# Altium PCB PCB_proj_module.PcbDoc (part 3 of 3)
Units mil, origin at the board's own origin, x right, y up, seen from the top; angles counter-clockwise.
Board outline 6000 x 4000 mil, 2 copper layers (Top Layer, Bottom Layer); 512 components, 452 nets, 1877 pads, 0 vias.
Unrouted connection lines stored in the file: 1267.
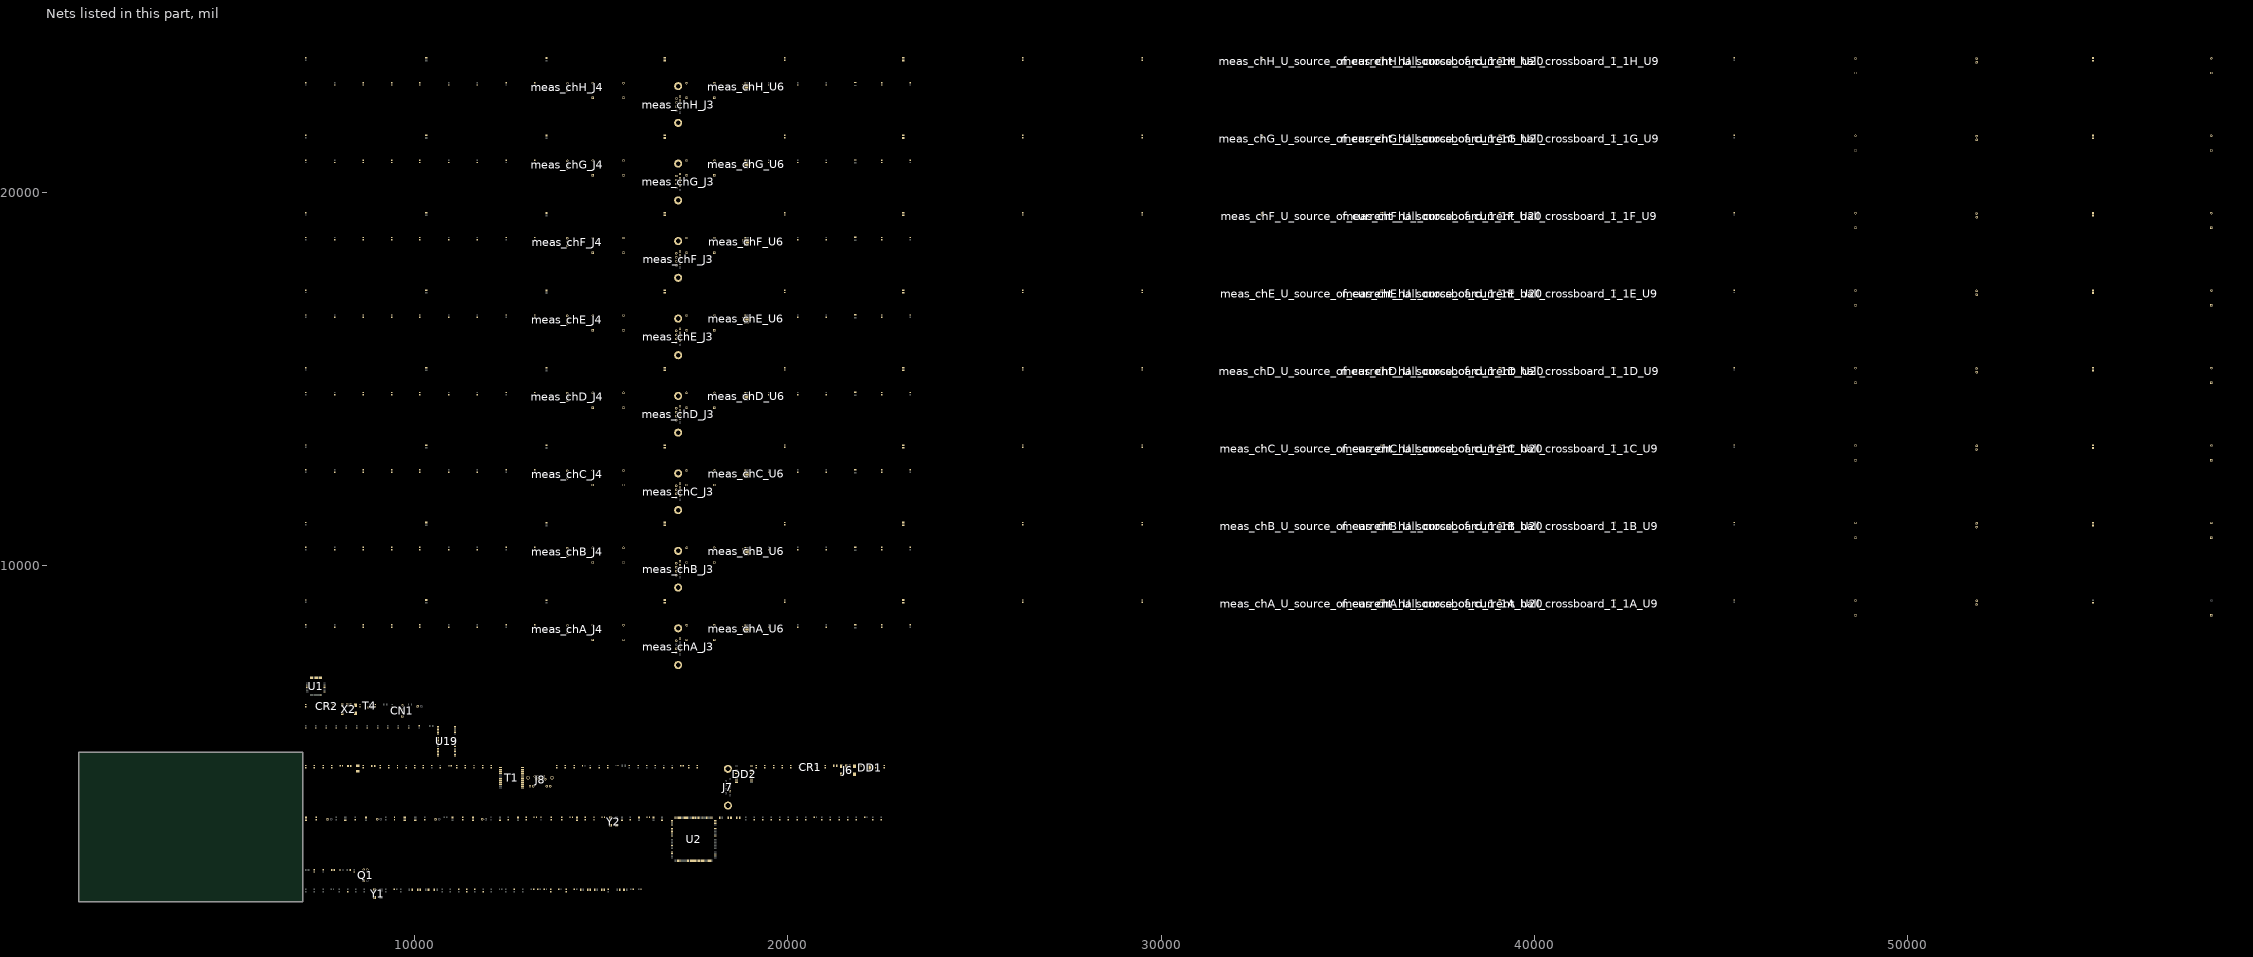
[diagram p3: the nets of this part, all layers, seen from the top]

## Nets (pads, with @x,y where several pads share a name; then routed paths per layer and width w, separated by ;. In a path a pad name is that pad's centre, name@x,y a point inside that pad or via, vN(x,y) a via of type N, cw(c..) or ccw(c..) an arc to the next point about the centre after c; other vN are vias at no path point) (continued)
meas_chA_Pt_100+: C1.2 C2.1 C3.1 C4.1 C5.1 C6.2 C7.2 C8.1 C9.1 C10.1 C11.1 C12.2 C13.2 C14.1 C15.2 C16.1 C17.1 C18.2 C19.1 C20.2 C21.1 C22.1 C23.1 C24.1 C26.1 C27.1 C28.1 C29.1 C30.1 C31.1 C32.1 C33.1 C34.1 C35.1 C36.1 C37.1 C38.1 C39.1 C40.1 C41.1 C43.2 C44.2 C45.1 C60.1 C61.2 C62.2 C63.2 C64.1 C65.1 C66.2 C67.1 C68.1 C72.1 C76.1 C77.2 C78.1 C79.1 C80.1 C81.1 C82.1 C83.1 C84.1 C85.2 C86.2 C97.1 C100.1 C102.1 C103.2 C111.1 C115.1 C116.1 C117.1 C118.1 C119.1 C120.1 C121.1 C122.1 C123.1 C124.1 C125.1 C126.1 C127.1 C128.1 C129.2 C130.1 C132.1 CN1.4 CR1.2 CR2.2 D1.1 D2.1 D3.1 D8.1 DD1.5 DD1.13 DD2.4 DD2.5 DD2.6 DD2.7 DD2.10 J6.5 J8.SHIELD J11.1 J12.1 J13.1 J14.1 meas_chA_C46.2 meas_chA_C47.1 meas_chA_C48.1 meas_chA_C49.1 meas_chA_C50.1 meas_chA_C55.2 meas_chA_C56.1 meas_chA_C136.1 meas_chA_J3.8 meas_chA_J4.3 meas_chA_TP16.2 meas_chA_U6.6 meas_chA_U6.22 meas_chA_U6.29 meas_chA_U_source_of_current_hall_crossboard_1_1A_C89.2 meas_chA_U_source_of_current_hall_crossboard_1_1A_C107.2 meas_chA_U_source_of_current_hall_crossboard_1_1A_C109.2 meas_chA_U_source_of_current_hall_crossboard_1_1A_C134.2 meas_chA_U_source_of_current_hall_crossboard_1_1A_C135.2 meas_chA_U_source_of_current_hall_crossboard_1_1A_C142.2 meas_chA_U_source_of_current_hall_crossboard_1_1A_U9.7 meas_chA_U_source_of_current_hall_crossboard_1_1A_U20.2 meas_chB_C46.2 meas_chB_C47.1 meas_chB_C48.1 meas_chB_C49.1 meas_chB_C50.1 meas_chB_C55.2 meas_chB_C56.1 meas_chB_C136.1 meas_chB_J3.8 meas_chB_J4.3 meas_chB_TP16.2 meas_chB_U6.6 meas_chB_U6.22 meas_chB_U6.29 meas_chB_U_source_of_current_hall_crossboard_1_1B_C89.2 meas_chB_U_source_of_current_hall_crossboard_1_1B_C107.2 meas_chB_U_source_of_current_hall_crossboard_1_1B_C109.2 meas_chB_U_source_of_current_hall_crossboard_1_1B_C134.2 meas_chB_U_source_of_current_hall_crossboard_1_1B_C135.2 meas_chB_U_source_of_current_hall_crossboard_1_1B_C142.2 meas_chB_U_source_of_current_hall_crossboard_1_1B_U9.7 meas_chB_U_source_of_current_hall_crossboard_1_1B_U20.2 meas_chC_C46.2 meas_chC_C47.1 meas_chC_C48.1 meas_chC_C49.1 meas_chC_C50.1 meas_chC_C55.2 meas_chC_C56.1 meas_chC_C136.1 meas_chC_J3.8 meas_chC_J4.3 meas_chC_TP16.2 meas_chC_U6.6 meas_chC_U6.22 meas_chC_U6.29 meas_chC_U_source_of_current_hall_crossboard_1_1C_C89.2 meas_chC_U_source_of_current_hall_crossboard_1_1C_C107.2 meas_chC_U_source_of_current_hall_crossboard_1_1C_C109.2 meas_chC_U_source_of_current_hall_crossboard_1_1C_C134.2 meas_chC_U_source_of_current_hall_crossboard_1_1C_C135.2 meas_chC_U_source_of_current_hall_crossboard_1_1C_C142.2 meas_chC_U_source_of_current_hall_crossboard_1_1C_U9.7 meas_chC_U_source_of_current_hall_crossboard_1_1C_U20.2 meas_chD_C46.2 meas_chD_C47.1 meas_chD_C48.1 meas_chD_C49.1 meas_chD_C50.1 meas_chD_C55.2 meas_chD_C56.1 meas_chD_C136.1 meas_chD_J3.8 meas_chD_J4.3 meas_chD_TP16.2 meas_chD_U6.6 meas_chD_U6.22 meas_chD_U6.29 meas_chD_U_source_of_current_hall_crossboard_1_1D_C89.2 meas_chD_U_source_of_current_hall_crossboard_1_1D_C107.2 meas_chD_U_source_of_current_hall_crossboard_1_1D_C109.2 meas_chD_U_source_of_current_hall_crossboard_1_1D_C134.2 meas_chD_U_source_of_current_hall_crossboard_1_1D_C135.2 meas_chD_U_source_of_current_hall_crossboard_1_1D_C142.2 meas_chD_U_source_of_current_hall_crossboard_1_1D_U9.7 meas_chD_U_source_of_current_hall_crossboard_1_1D_U20.2 meas_chE_C46.2 meas_chE_C47.1 meas_chE_C48.1 meas_chE_C49.1 meas_chE_C50.1 meas_chE_C55.2 meas_chE_C56.1 meas_chE_C136.1 meas_chE_J3.8 meas_chE_J4.3 meas_chE_TP16.2 meas_chE_U6.6 meas_chE_U6.22 meas_chE_U6.29 meas_chE_U_source_of_current_hall_crossboard_1_1E_C89.2 meas_chE_U_source_of_current_hall_crossboard_1_1E_C107.2 meas_chE_U_source_of_current_hall_crossboard_1_1E_C109.2 meas_chE_U_source_of_current_hall_crossboard_1_1E_C134.2 meas_chE_U_source_of_current_hall_crossboard_1_1E_C135.2 meas_chE_U_source_of_current_hall_crossboard_1_1E_C142.2 meas_chE_U_source_of_current_hall_crossboard_1_1E_U9.7 meas_chE_U_source_of_current_hall_crossboard_1_1E_U20.2 meas_chF_C46.2 meas_chF_C47.1 meas_chF_C48.1 meas_chF_C49.1 meas_chF_C50.1 meas_chF_C55.2 meas_chF_C56.1 meas_chF_C136.1 meas_chF_J3.8 meas_chF_J4.3 meas_chF_TP16.2 meas_chF_U6.6 meas_chF_U6.22 meas_chF_U6.29 meas_chF_U_source_of_current_hall_crossboard_1_1F_C89.2 meas_chF_U_source_of_current_hall_crossboard_1_1F_C107.2 meas_chF_U_source_of_current_hall_crossboard_1_1F_C109.2 meas_chF_U_source_of_current_hall_crossboard_1_1F_C134.2 meas_chF_U_source_of_current_hall_crossboard_1_1F_C135.2 meas_chF_U_source_of_current_hall_crossboard_1_1F_C142.2 meas_chF_U_source_of_current_hall_crossboard_1_1F_U9.7 meas_chF_U_source_of_current_hall_crossboard_1_1F_U20.2 meas_chG_C46.2 meas_chG_C47.1 meas_chG_C48.1 meas_chG_C49.1 meas_chG_C50.1 meas_chG_C55.2 meas_chG_C56.1 meas_chG_C136.1 meas_chG_J3.8 meas_chG_J4.3 meas_chG_TP16.2 meas_chG_U6.6 meas_chG_U6.22 meas_chG_U6.29 meas_chG_U_source_of_current_hall_crossboard_1_1G_C89.2 meas_chG_U_source_of_current_hall_crossboard_1_1G_C107.2 meas_chG_U_source_of_current_hall_crossboard_1_1G_C109.2 meas_chG_U_source_of_current_hall_crossboard_1_1G_C134.2 meas_chG_U_source_of_current_hall_crossboard_1_1G_C135.2 meas_chG_U_source_of_current_hall_crossboard_1_1G_C142.2 meas_chG_U_source_of_current_hall_crossboard_1_1G_U9.7 meas_chG_U_source_of_current_hall_crossboard_1_1G_U20.2 meas_chH_C46.2 meas_chH_C47.1 meas_chH_C48.1 meas_chH_C49.1 meas_chH_C50.1 meas_chH_C55.2 meas_chH_C56.1 meas_chH_C136.1 meas_chH_J3.8 meas_chH_J4.3 meas_chH_TP16.2 meas_chH_U6.6 meas_chH_U6.22 meas_chH_U6.29 meas_chH_U_source_of_current_hall_crossboard_1_1H_C89.2 meas_chH_U_source_of_current_hall_crossboard_1_1H_C107.2 meas_chH_U_source_of_current_hall_crossboard_1_1H_C109.2 meas_chH_U_source_of_current_hall_crossboard_1_1H_C134.2 meas_chH_U_source_of_current_hall_crossboard_1_1H_C135.2 meas_chH_U_source_of_current_hall_crossboard_1_1H_C142.2 meas_chH_U_source_of_current_hall_crossboard_1_1H_U9.7 meas_chH_U_source_of_current_hall_crossboard_1_1H_U20.2 Q1.3 R14.1 R38.1 R40.2 R50.1 R52.2 R56.1 R57.1 R58.1 R87.2 R96.1 R99.1 R103.1 R107.1 U1.3 U1.5 U1.31 U1.33 U1.44 U1.46 U1.51 U1.54 U1.55 U1.56 U1.58 U1.62 U2.14 U2.25 U2.40 U2.51 U2.60 U2.72 U2.82 U2.93 U2.114 U2.125 U2.136 U2.149 U2.170 U2.184 U2.202 U2.203 U19.6 U19.12 U19.32 U19.38 U19.44 U19.46 U19.52 U19.58 U19.72 U19.78 U19.84 U19.86 X2.5 Y1.2 Y2.2
meas_chA_Pt_100-: meas_chA_J3.3 meas_chA_J4.1 meas_chA_TP16.1
meas_chA_U_source_of_current_hall_crossboard_1_1A_REF-2V5: meas_chA_U_source_of_current_hall_crossboard_1_1A_C131.2 meas_chA_U_source_of_current_hall_crossboard_1_1A_U9.3 meas_chA_U_source_of_current_hall_crossboard_1_1A_U20.7
meas_chA_VHall_+: meas_chA_J3.9 meas_chA_TP1.1
meas_chA_VHall_-: meas_chA_J3.4 meas_chA_TP1.2
meas_chB_+CHall: meas_chB_J3.7 meas_chB_J4.2
meas_chB_-CHall: meas_chB_J3.2 meas_chB_U_source_of_current_hall_crossboard_1_1B_R13.2 meas_chB_U_source_of_current_hall_crossboard_1_1B_TP14.2
meas_chB_Pt_100-: meas_chB_J3.3 meas_chB_J4.1 meas_chB_TP16.1
meas_chB_U_source_of_current_hall_crossboard_1_1B_REF-2V5: meas_chB_U_source_of_current_hall_crossboard_1_1B_C131.2 meas_chB_U_source_of_current_hall_crossboard_1_1B_U9.3 meas_chB_U_source_of_current_hall_crossboard_1_1B_U20.7
meas_chB_VHall_+: meas_chB_J3.9 meas_chB_TP1.1
meas_chB_VHall_-: meas_chB_J3.4 meas_chB_TP1.2
meas_chC_+CHall: meas_chC_J3.7 meas_chC_J4.2
meas_chC_-CHall: meas_chC_J3.2 meas_chC_U_source_of_current_hall_crossboard_1_1C_R13.2 meas_chC_U_source_of_current_hall_crossboard_1_1C_TP14.2
meas_chC_Pt_100-: meas_chC_J3.3 meas_chC_J4.1 meas_chC_TP16.1
meas_chC_U_source_of_current_hall_crossboard_1_1C_REF-2V5: meas_chC_U_source_of_current_hall_crossboard_1_1C_C131.2 meas_chC_U_source_of_current_hall_crossboard_1_1C_U9.3 meas_chC_U_source_of_current_hall_crossboard_1_1C_U20.7
meas_chC_VHall_+: meas_chC_J3.9 meas_chC_TP1.1
meas_chC_VHall_-: meas_chC_J3.4 meas_chC_TP1.2
meas_chD_+CHall: meas_chD_J3.7 meas_chD_J4.2
meas_chD_-CHall: meas_chD_J3.2 meas_chD_U_source_of_current_hall_crossboard_1_1D_R13.2 meas_chD_U_source_of_current_hall_crossboard_1_1D_TP14.2
meas_chD_Pt_100-: meas_chD_J3.3 meas_chD_J4.1 meas_chD_TP16.1
meas_chD_U_source_of_current_hall_crossboard_1_1D_REF-2V5: meas_chD_U_source_of_current_hall_crossboard_1_1D_C131.2 meas_chD_U_source_of_current_hall_crossboard_1_1D_U9.3 meas_chD_U_source_of_current_hall_crossboard_1_1D_U20.7
meas_chD_VHall_+: meas_chD_J3.9 meas_chD_TP1.1
meas_chD_VHall_-: meas_chD_J3.4 meas_chD_TP1.2
meas_chE_+CHall: meas_chE_J3.7 meas_chE_J4.2
meas_chE_-CHall: meas_chE_J3.2 meas_chE_U_source_of_current_hall_crossboard_1_1E_R13.2 meas_chE_U_source_of_current_hall_crossboard_1_1E_TP14.2
meas_chE_Pt_100-: meas_chE_J3.3 meas_chE_J4.1 meas_chE_TP16.1
meas_chE_U_source_of_current_hall_crossboard_1_1E_REF-2V5: meas_chE_U_source_of_current_hall_crossboard_1_1E_C131.2 meas_chE_U_source_of_current_hall_crossboard_1_1E_U9.3 meas_chE_U_source_of_current_hall_crossboard_1_1E_U20.7
meas_chE_VHall_+: meas_chE_J3.9 meas_chE_TP1.1
meas_chE_VHall_-: meas_chE_J3.4 meas_chE_TP1.2
meas_chF_+CHall: meas_chF_J3.7 meas_chF_J4.2
meas_chF_-CHall: meas_chF_J3.2 meas_chF_U_source_of_current_hall_crossboard_1_1F_R13.2 meas_chF_U_source_of_current_hall_crossboard_1_1F_TP14.2
meas_chF_Pt_100-: meas_chF_J3.3 meas_chF_J4.1 meas_chF_TP16.1
meas_chF_U_source_of_current_hall_crossboard_1_1F_REF-2V5: meas_chF_U_source_of_current_hall_crossboard_1_1F_C131.2 meas_chF_U_source_of_current_hall_crossboard_1_1F_U9.3 meas_chF_U_source_of_current_hall_crossboard_1_1F_U20.7
meas_chF_VHall_+: meas_chF_J3.9 meas_chF_TP1.1
meas_chF_VHall_-: meas_chF_J3.4 meas_chF_TP1.2
meas_chG_+CHall: meas_chG_J3.7 meas_chG_J4.2
meas_chG_-CHall: meas_chG_J3.2 meas_chG_U_source_of_current_hall_crossboard_1_1G_R13.2 meas_chG_U_source_of_current_hall_crossboard_1_1G_TP14.2
meas_chG_Pt_100-: meas_chG_J3.3 meas_chG_J4.1 meas_chG_TP16.1
meas_chG_U_source_of_current_hall_crossboard_1_1G_REF-2V5: meas_chG_U_source_of_current_hall_crossboard_1_1G_C131.2 meas_chG_U_source_of_current_hall_crossboard_1_1G_U9.3 meas_chG_U_source_of_current_hall_crossboard_1_1G_U20.7
meas_chG_VHall_+: meas_chG_J3.9 meas_chG_TP1.1
meas_chG_VHall_-: meas_chG_J3.4 meas_chG_TP1.2
meas_chH_+CHall: meas_chH_J3.7 meas_chH_J4.2
meas_chH_-CHall: meas_chH_J3.2 meas_chH_U_source_of_current_hall_crossboard_1_1H_R13.2 meas_chH_U_source_of_current_hall_crossboard_1_1H_TP14.2
meas_chH_Pt_100-: meas_chH_J3.3 meas_chH_J4.1 meas_chH_TP16.1
meas_chH_U_source_of_current_hall_crossboard_1_1H_REF-2V5: meas_chH_U_source_of_current_hall_crossboard_1_1H_C131.2 meas_chH_U_source_of_current_hall_crossboard_1_1H_U9.3 meas_chH_U_source_of_current_hall_crossboard_1_1H_U20.7
meas_chH_VHall_+: meas_chH_J3.9 meas_chH_TP1.1
meas_chH_VHall_-: meas_chH_J3.4 meas_chH_TP1.2
MISO: meas_chA_R79.1 meas_chB_R79.1 meas_chC_R79.1 meas_chD_R79.1 meas_chE_R79.1 meas_chF_R79.1 meas_chG_R79.1 meas_chH_R79.1 R3.2 U2.193
MOSI: meas_chA_R81.1 meas_chB_R81.1 meas_chC_R81.1 meas_chD_R81.1 meas_chE_R81.1 meas_chF_R81.1 meas_chG_R81.1 meas_chH_R81.1 R21.2 U2.194
NetC4_2: C4.2 C10.2 U1.52
NetC6_1: C6.1 C12.1 U1.34
NetC14_2: C14.2 C19.2 U1.61
NetC23_2: C23.2 C24.2 L1.1
NetC25_2: C25.2 L2.2
NetC43_1: C43.1 U2.92
NetC44_1: C44.1 U2.148
NetC61_1: C61.1 DD1.4 L4.1
NetC62_1: C62.1 C63.1 J6.1 L4.2
NetC64_2: C64.2 C65.2 DD1.2 DD1.3 DD1.9
NetC66_1: C66.1 CR1.4 R37.1
NetC67_2: C67.2 CR1.6 R36.1
NetC68_2: C68.2 J6.6 R38.2
NetC69_1: C69.1 DD2.17
NetC69_2: C69.2 DD2.18
NetC70_1: C70.1 DD2.13
NetC70_2: C70.2 DD2.14
NetC71_1: C71.1 C73.2 DD2.20
NetC71_2: C71.2 DD2.19
NetC74_2: C74.2 J7.11
NetC75_2: C75.2 DD2.12
NetC76_2: C76.2 C81.2 C82.2 C83.2 C84.2 C85.1 L5.1 R44.2 R45.2 R46.2 R47.2 T1.1 T1.4 T1.7 T1.10
NetC77_1: C77.1 X1.2
NetC78_2: C78.2 C80.2
NetC86_1: C86.1 X1.1
NetC100_2: C100.2 R14.2 X2.6
NetC102_2: C102.2 R95.1 R96.2
NetC115_2: C115.2 R98.1 R99.2
NetC117_2: C117.2 R101.1 R103.2
NetC132_2: C132.2 R106.1 R107.2
NetCN1_1: CN1.1 J9.1
NetCN1_2: CN1.2 U2.147
NetCN1_3: CN1.3 U2.159
NetCR1_1: CR1.1 DD1.12
NetCR1_3: CR1.3 DD1.1
NetCR2_1: CR2.1 U2.145
NetCR2_3: CR2.3 U2.146
NetCR2_4: CR2.4 R89.1 X2.2
NetCR2_6: CR2.6 X2.3
NetD1_2: D1.2 R32.1
NetD2_2: D2.2 R34.1
NetD3_2: D3.2 R35.1
NetD4_3: T1.24
NetD4_4: T1.18
NetD5_3: T1.21
NetD5_4: T1.15
NetD8_2: D8.2 R63.1
NetD9_1: 
NetDD1_7: DD1.7 U2.196
NetDD1_10: DD1.10 U2.195
NetDD2_8: DD2.8 U2.91
NetDD2_9: DD2.9 U2.90
NetDD2_15: DD2.15 J7.3
NetDD2_16: DD2.16 J7.2
NetJ1_2: 
NetJ2_1: 
NetJ2_2: Q1.1
NetJ6_2: J6.2 R36.2
NetJ6_3: J6.3 R37.2
NetJ7_10: J7.10 R39.1
NetJ8_1: J8.1 T1.23
NetJ8_2: J8.2 T1.22
NetJ8_3: J8.3 T1.17
NetJ8_4: J8.4 T1.20
NetJ8_5: J8.5 T1.19
NetJ8_6: J8.6 T1.16
NetJ8_7: J8.7 T1.14
NetJ8_8: J8.8 T1.13
NetJ8_9: J8.9 R58.2
NetJ8_10: J8.10
NetJ8_11: J8.11 R56.2
NetJ8_12: J8.12 R57.2
Netmeas_chA_C47_2: meas_chA_C47.2 meas_chA_L3.2 meas_chA_U6.23
Netmeas_chA_C136_2: meas_chA_C136.2 meas_chA_J3.10 meas_chA_J3.11
Netmeas_chA_J3_1: meas_chA_J3.1 meas_chA_TP17.2
Netmeas_chA_J3_6: meas_chA_J3.6 meas_chA_TP17.1
Netmeas_chA_R77_1: meas_chA_R77.1
Netmeas_chA_R79_2: meas_chA_R79.2 meas_chA_U6.8
Netmeas_chA_R81_2: meas_chA_R81.2 meas_chA_U6.9
Netmeas_chA_R83_2: meas_chA_R83.2 meas_chA_U6.10
Netmeas_chA_R85_2: meas_chA_R85.2 meas_chA_R90.1 meas_chA_U6.11
Netmeas_chA_TP3_1: meas_chA_TP3.1 meas_chA_U6.1
Netmeas_chA_TP3_2: meas_chA_TP3.2 meas_chA_U6.2
Netmeas_chA_U5_9: meas_chA_U_source_of_current_hall_crossboard_1_1A_J10.2 meas_chA_U_source_of_current_hall_crossboard_1_1A_R13.1 meas_chA_U_source_of_current_hall_crossboard_1_1A_TP14.1 meas_chA_U_source_of_current_hall_crossboard_1_1A_TP15.2
Netmeas_chA_U6_12: meas_chA_U6.12 meas_chB_U6.12 meas_chC_U6.12 meas_chD_U6.12 meas_chE_U6.12 meas_chF_U6.12 meas_chG_U6.12 meas_chH_U6.12
Netmeas_chA_U6_13: meas_chA_U6.13 meas_chB_U6.13 meas_chC_U6.13 meas_chD_U6.13 meas_chE_U6.13 meas_chF_U6.13 meas_chG_U6.13 meas_chH_U6.13
Netmeas_chA_U_source_of_current_hall_crossboard_1_1A_C89_1: meas_chA_U_source_of_current_hall_crossboard_1_1A_C89.1 meas_chA_U_source_of_current_hall_crossboard_1_1A_C131.1 meas_chA_U_source_of_current_hall_crossboard_1_1A_C133.1 meas_chA_U_source_of_current_hall_crossboard_1_1A_C134.1 meas_chA_U_source_of_current_hall_crossboard_1_1A_U20.3 meas_chA_U_source_of_current_hall_crossboard_1_1A_U20.4 meas_chA_U_source_of_current_hall_crossboard_1_1A_U20.5 meas_chA_U_source_of_current_hall_crossboard_1_1A_U20.8
Netmeas_chA_U_source_of_current_hall_crossboard_1_1A_C133_2: meas_chA_U_source_of_current_hall_crossboard_1_1A_C133.2 meas_chA_U_source_of_current_hall_crossboard_1_1A_U20.6
Netmeas_chA_U_source_of_current_hall_crossboard_1_1A_C141_1: meas_chA_U_source_of_current_hall_crossboard_1_1A_C141.1 meas_chA_U_source_of_current_hall_crossboard_1_1A_R86.2 meas_chA_U_source_of_current_hall_crossboard_1_1A_U9.2
Netmeas_chA_U_source_of_current_hall_crossboard_1_1A_C141_2: meas_chA_U_source_of_current_hall_crossboard_1_1A_C141.2 meas_chA_U_source_of_current_hall_crossboard_1_1A_R84.1 meas_chA_U_source_of_current_hall_crossboard_1_1A_U9.6
Netmeas_chA_U_source_of_current_hall_crossboard_1_1A_J10_1: meas_chA_U_source_of_current_hall_crossboard_1_1A_J10.1 meas_chA_U_source_of_current_hall_crossboard_1_1A_TP15.1
Netmeas_chA_U_source_of_current_hall_crossboard_1_1A_Q2_1: meas_chA_U_source_of_current_hall_crossboard_1_1A_R84.2
Netmeas_chB_C47_2: meas_chB_C47.2 meas_chB_L3.2 meas_chB_U6.23
Netmeas_chB_C136_2: meas_chB_C136.2 meas_chB_J3.10 meas_chB_J3.11
Netmeas_chB_J3_1: meas_chB_J3.1 meas_chB_TP17.2
Netmeas_chB_J3_6: meas_chB_J3.6 meas_chB_TP17.1
Netmeas_chB_R77_1: meas_chB_R77.1
Netmeas_chB_R79_2: meas_chB_R79.2 meas_chB_U6.8
Netmeas_chB_R81_2: meas_chB_R81.2 meas_chB_U6.9
Netmeas_chB_R83_2: meas_chB_R83.2 meas_chB_U6.10
Netmeas_chB_R85_2: meas_chB_R85.2 meas_chB_R90.1 meas_chB_U6.11
Netmeas_chB_TP3_1: meas_chB_TP3.1 meas_chB_U6.1
Netmeas_chB_TP3_2: meas_chB_TP3.2 meas_chB_U6.2
Netmeas_chB_U5_9: meas_chB_U_source_of_current_hall_crossboard_1_1B_J10.2 meas_chB_U_source_of_current_hall_crossboard_1_1B_R13.1 meas_chB_U_source_of_current_hall_crossboard_1_1B_TP14.1 meas_chB_U_source_of_current_hall_crossboard_1_1B_TP15.2
Netmeas_chB_U_source_of_current_hall_crossboard_1_1B_C89_1: meas_chB_U_source_of_current_hall_crossboard_1_1B_C89.1 meas_chB_U_source_of_current_hall_crossboard_1_1B_C131.1 meas_chB_U_source_of_current_hall_crossboard_1_1B_C133.1 meas_chB_U_source_of_current_hall_crossboard_1_1B_C134.1 meas_chB_U_source_of_current_hall_crossboard_1_1B_U20.3 meas_chB_U_source_of_current_hall_crossboard_1_1B_U20.4 meas_chB_U_source_of_current_hall_crossboard_1_1B_U20.5 meas_chB_U_source_of_current_hall_crossboard_1_1B_U20.8
Netmeas_chB_U_source_of_current_hall_crossboard_1_1B_C133_2: meas_chB_U_source_of_current_hall_crossboard_1_1B_C133.2 meas_chB_U_source_of_current_hall_crossboard_1_1B_U20.6
Netmeas_chB_U_source_of_current_hall_crossboard_1_1B_C141_1: meas_chB_U_source_of_current_hall_crossboard_1_1B_C141.1 meas_chB_U_source_of_current_hall_crossboard_1_1B_R86.2 meas_chB_U_source_of_current_hall_crossboard_1_1B_U9.2
Netmeas_chB_U_source_of_current_hall_crossboard_1_1B_C141_2: meas_chB_U_source_of_current_hall_crossboard_1_1B_C141.2 meas_chB_U_source_of_current_hall_crossboard_1_1B_R84.1 meas_chB_U_source_of_current_hall_crossboard_1_1B_U9.6
Netmeas_chB_U_source_of_current_hall_crossboard_1_1B_J10_1: meas_chB_U_source_of_current_hall_crossboard_1_1B_J10.1 meas_chB_U_source_of_current_hall_crossboard_1_1B_TP15.1
Netmeas_chB_U_source_of_current_hall_crossboard_1_1B_Q2_1: meas_chB_U_source_of_current_hall_crossboard_1_1B_R84.2
Netmeas_chC_C47_2: meas_chC_C47.2 meas_chC_L3.2 meas_chC_U6.23
Netmeas_chC_C136_2: meas_chC_C136.2 meas_chC_J3.10 meas_chC_J3.11
Netmeas_chC_J3_1: meas_chC_J3.1 meas_chC_TP17.2
Netmeas_chC_J3_6: meas_chC_J3.6 meas_chC_TP17.1
Netmeas_chC_R77_1: meas_chC_R77.1
Netmeas_chC_R79_2: meas_chC_R79.2 meas_chC_U6.8
Netmeas_chC_R81_2: meas_chC_R81.2 meas_chC_U6.9
Netmeas_chC_R83_2: meas_chC_R83.2 meas_chC_U6.10
Netmeas_chC_R85_2: meas_chC_R85.2 meas_chC_R90.1 meas_chC_U6.11
Netmeas_chC_TP3_1: meas_chC_TP3.1 meas_chC_U6.1
Netmeas_chC_TP3_2: meas_chC_TP3.2 meas_chC_U6.2
Netmeas_chC_U5_9: meas_chC_U_source_of_current_hall_crossboard_1_1C_J10.2 meas_chC_U_source_of_current_hall_crossboard_1_1C_R13.1 meas_chC_U_source_of_current_hall_crossboard_1_1C_TP14.1 meas_chC_U_source_of_current_hall_crossboard_1_1C_TP15.2
Netmeas_chC_U_source_of_current_hall_crossboard_1_1C_C89_1: meas_chC_U_source_of_current_hall_crossboard_1_1C_C89.1 meas_chC_U_source_of_current_hall_crossboard_1_1C_C131.1 meas_chC_U_source_of_current_hall_crossboard_1_1C_C133.1 meas_chC_U_source_of_current_hall_crossboard_1_1C_C134.1 meas_chC_U_source_of_current_hall_crossboard_1_1C_U20.3 meas_chC_U_source_of_current_hall_crossboard_1_1C_U20.4 meas_chC_U_source_of_current_hall_crossboard_1_1C_U20.5 meas_chC_U_source_of_current_hall_crossboard_1_1C_U20.8
Netmeas_chC_U_source_of_current_hall_crossboard_1_1C_C133_2: meas_chC_U_source_of_current_hall_crossboard_1_1C_C133.2 meas_chC_U_source_of_current_hall_crossboard_1_1C_U20.6
Netmeas_chC_U_source_of_current_hall_crossboard_1_1C_C141_1: meas_chC_U_source_of_current_hall_crossboard_1_1C_C141.1 meas_chC_U_source_of_current_hall_crossboard_1_1C_R86.2 meas_chC_U_source_of_current_hall_crossboard_1_1C_U9.2
Netmeas_chC_U_source_of_current_hall_crossboard_1_1C_C141_2: meas_chC_U_source_of_current_hall_crossboard_1_1C_C141.2 meas_chC_U_source_of_current_hall_crossboard_1_1C_R84.1 meas_chC_U_source_of_current_hall_crossboard_1_1C_U9.6
Netmeas_chC_U_source_of_current_hall_crossboard_1_1C_J10_1: meas_chC_U_source_of_current_hall_crossboard_1_1C_J10.1 meas_chC_U_source_of_current_hall_crossboard_1_1C_TP15.1
Netmeas_chC_U_source_of_current_hall_crossboard_1_1C_Q2_1: meas_chC_U_source_of_current_hall_crossboard_1_1C_R84.2
Netmeas_chD_C47_2: meas_chD_C47.2 meas_chD_L3.2 meas_chD_U6.23
Netmeas_chD_C136_2: meas_chD_C136.2 meas_chD_J3.10 meas_chD_J3.11
Netmeas_chD_J3_1: meas_chD_J3.1 meas_chD_TP17.2
Netmeas_chD_J3_6: meas_chD_J3.6 meas_chD_TP17.1
Netmeas_chD_R77_1: meas_chD_R77.1
Netmeas_chD_R79_2: meas_chD_R79.2 meas_chD_U6.8
Netmeas_chD_R81_2: meas_chD_R81.2 meas_chD_U6.9
Netmeas_chD_R83_2: meas_chD_R83.2 meas_chD_U6.10
Netmeas_chD_R85_2: meas_chD_R85.2 meas_chD_R90.1 meas_chD_U6.11
Netmeas_chD_TP3_1: meas_chD_TP3.1 meas_chD_U6.1
Netmeas_chD_TP3_2: meas_chD_TP3.2 meas_chD_U6.2
Netmeas_chD_U5_9: meas_chD_U_source_of_current_hall_crossboard_1_1D_J10.2 meas_chD_U_source_of_current_hall_crossboard_1_1D_R13.1 meas_chD_U_source_of_current_hall_crossboard_1_1D_TP14.1 meas_chD_U_source_of_current_hall_crossboard_1_1D_TP15.2
Netmeas_chD_U_source_of_current_hall_crossboard_1_1D_C89_1: meas_chD_U_source_of_current_hall_crossboard_1_1D_C89.1 meas_chD_U_source_of_current_hall_crossboard_1_1D_C131.1 meas_chD_U_source_of_current_hall_crossboard_1_1D_C133.1 meas_chD_U_source_of_current_hall_crossboard_1_1D_C134.1 meas_chD_U_source_of_current_hall_crossboard_1_1D_U20.3 meas_chD_U_source_of_current_hall_crossboard_1_1D_U20.4 meas_chD_U_source_of_current_hall_crossboard_1_1D_U20.5 meas_chD_U_source_of_current_hall_crossboard_1_1D_U20.8
Netmeas_chD_U_source_of_current_hall_crossboard_1_1D_C133_2: meas_chD_U_source_of_current_hall_crossboard_1_1D_C133.2 meas_chD_U_source_of_current_hall_crossboard_1_1D_U20.6
Netmeas_chD_U_source_of_current_hall_crossboard_1_1D_C141_1: meas_chD_U_source_of_current_hall_crossboard_1_1D_C141.1 meas_chD_U_source_of_current_hall_crossboard_1_1D_R86.2 meas_chD_U_source_of_current_hall_crossboard_1_1D_U9.2
Netmeas_chD_U_source_of_current_hall_crossboard_1_1D_C141_2: meas_chD_U_source_of_current_hall_crossboard_1_1D_C141.2 meas_chD_U_source_of_current_hall_crossboard_1_1D_R84.1 meas_chD_U_source_of_current_hall_crossboard_1_1D_U9.6
Netmeas_chD_U_source_of_current_hall_crossboard_1_1D_J10_1: meas_chD_U_source_of_current_hall_crossboard_1_1D_J10.1 meas_chD_U_source_of_current_hall_crossboard_1_1D_TP15.1
Netmeas_chD_U_source_of_current_hall_crossboard_1_1D_Q2_1: meas_chD_U_source_of_current_hall_crossboard_1_1D_R84.2
Netmeas_chE_C47_2: meas_chE_C47.2 meas_chE_L3.2 meas_chE_U6.23
Netmeas_chE_C136_2: meas_chE_C136.2 meas_chE_J3.10 meas_chE_J3.11
Netmeas_chE_J3_1: meas_chE_J3.1 meas_chE_TP17.2
Netmeas_chE_J3_6: meas_chE_J3.6 meas_chE_TP17.1
Netmeas_chE_R77_1: meas_chE_R77.1
Netmeas_chE_R79_2: meas_chE_R79.2 meas_chE_U6.8
Netmeas_chE_R81_2: meas_chE_R81.2 meas_chE_U6.9
Netmeas_chE_R83_2: meas_chE_R83.2 meas_chE_U6.10
Netmeas_chE_R85_2: meas_chE_R85.2 meas_chE_R90.1 meas_chE_U6.11
Netmeas_chE_TP3_1: meas_chE_TP3.1 meas_chE_U6.1
Netmeas_chE_TP3_2: meas_chE_TP3.2 meas_chE_U6.2
Netmeas_chE_U5_9: meas_chE_U_source_of_current_hall_crossboard_1_1E_J10.2 meas_chE_U_source_of_current_hall_crossboard_1_1E_R13.1 meas_chE_U_source_of_current_hall_crossboard_1_1E_TP14.1 meas_chE_U_source_of_current_hall_crossboard_1_1E_TP15.2
Netmeas_chE_U_source_of_current_hall_crossboard_1_1E_C89_1: meas_chE_U_source_of_current_hall_crossboard_1_1E_C89.1 meas_chE_U_source_of_current_hall_crossboard_1_1E_C131.1 meas_chE_U_source_of_current_hall_crossboard_1_1E_C133.1 meas_chE_U_source_of_current_hall_crossboard_1_1E_C134.1 meas_chE_U_source_of_current_hall_crossboard_1_1E_U20.3 meas_chE_U_source_of_current_hall_crossboard_1_1E_U20.4 meas_chE_U_source_of_current_hall_crossboard_1_1E_U20.5 meas_chE_U_source_of_current_hall_crossboard_1_1E_U20.8
Netmeas_chE_U_source_of_current_hall_crossboard_1_1E_C133_2: meas_chE_U_source_of_current_hall_crossboard_1_1E_C133.2 meas_chE_U_source_of_current_hall_crossboard_1_1E_U20.6
Netmeas_chE_U_source_of_current_hall_crossboard_1_1E_C141_1: meas_chE_U_source_of_current_hall_crossboard_1_1E_C141.1 meas_chE_U_source_of_current_hall_crossboard_1_1E_R86.2 meas_chE_U_source_of_current_hall_crossboard_1_1E_U9.2
Netmeas_chE_U_source_of_current_hall_crossboard_1_1E_C141_2: meas_chE_U_source_of_current_hall_crossboard_1_1E_C141.2 meas_chE_U_source_of_current_hall_crossboard_1_1E_R84.1 meas_chE_U_source_of_current_hall_crossboard_1_1E_U9.6
Netmeas_chE_U_source_of_current_hall_crossboard_1_1E_J10_1: meas_chE_U_source_of_current_hall_crossboard_1_1E_J10.1 meas_chE_U_source_of_current_hall_crossboard_1_1E_TP15.1
Netmeas_chE_U_source_of_current_hall_crossboard_1_1E_Q2_1: meas_chE_U_source_of_current_hall_crossboard_1_1E_R84.2
Netmeas_chF_C47_2: meas_chF_C47.2 meas_chF_L3.2 meas_chF_U6.23
Netmeas_chF_C136_2: meas_chF_C136.2 meas_chF_J3.10 meas_chF_J3.11
Netmeas_chF_J3_1: meas_chF_J3.1 meas_chF_TP17.2
Netmeas_chF_J3_6: meas_chF_J3.6 meas_chF_TP17.1
Netmeas_chF_R77_1: meas_chF_R77.1
Netmeas_chF_R79_2: meas_chF_R79.2 meas_chF_U6.8
Netmeas_chF_R81_2: meas_chF_R81.2 meas_chF_U6.9
Netmeas_chF_R83_2: meas_chF_R83.2 meas_chF_U6.10
Netmeas_chF_R85_2: meas_chF_R85.2 meas_chF_R90.1 meas_chF_U6.11
Netmeas_chF_TP3_1: meas_chF_TP3.1 meas_chF_U6.1
Netmeas_chF_TP3_2: meas_chF_TP3.2 meas_chF_U6.2
Netmeas_chF_U5_9: meas_chF_U_source_of_current_hall_crossboard_1_1F_J10.2 meas_chF_U_source_of_current_hall_crossboard_1_1F_R13.1 meas_chF_U_source_of_current_hall_crossboard_1_1F_TP14.1 meas_chF_U_source_of_current_hall_crossboard_1_1F_TP15.2
Netmeas_chF_U_source_of_current_hall_crossboard_1_1F_C89_1: meas_chF_U_source_of_current_hall_crossboard_1_1F_C89.1 meas_chF_U_source_of_current_hall_crossboard_1_1F_C131.1 meas_chF_U_source_of_current_hall_crossboard_1_1F_C133.1 meas_chF_U_source_of_current_hall_crossboard_1_1F_C134.1 meas_chF_U_source_of_current_hall_crossboard_1_1F_U20.3 meas_chF_U_source_of_current_hall_crossboard_1_1F_U20.4 meas_chF_U_source_of_current_hall_crossboard_1_1F_U20.5 meas_chF_U_source_of_current_hall_crossboard_1_1F_U20.8
Netmeas_chF_U_source_of_current_hall_crossboard_1_1F_C133_2: meas_chF_U_source_of_current_hall_crossboard_1_1F_C133.2 meas_chF_U_source_of_current_hall_crossboard_1_1F_U20.6
Netmeas_chF_U_source_of_current_hall_crossboard_1_1F_C141_1: meas_chF_U_source_of_current_hall_crossboard_1_1F_C141.1 meas_chF_U_source_of_current_hall_crossboard_1_1F_R86.2 meas_chF_U_source_of_current_hall_crossboard_1_1F_U9.2
Netmeas_chF_U_source_of_current_hall_crossboard_1_1F_C141_2: meas_chF_U_source_of_current_hall_crossboard_1_1F_C141.2 meas_chF_U_source_of_current_hall_crossboard_1_1F_R84.1 meas_chF_U_source_of_current_hall_crossboard_1_1F_U9.6
Netmeas_chF_U_source_of_current_hall_crossboard_1_1F_J10_1: meas_chF_U_source_of_current_hall_crossboard_1_1F_J10.1 meas_chF_U_source_of_current_hall_crossboard_1_1F_TP15.1
Netmeas_chF_U_source_of_current_hall_crossboard_1_1F_Q2_1: meas_chF_U_source_of_current_hall_crossboard_1_1F_R84.2
Netmeas_chG_C47_2: meas_chG_C47.2 meas_chG_L3.2 meas_chG_U6.23
Netmeas_chG_C136_2: meas_chG_C136.2 meas_chG_J3.10 meas_chG_J3.11
Netmeas_chG_J3_1: meas_chG_J3.1 meas_chG_TP17.2
Netmeas_chG_J3_6: meas_chG_J3.6 meas_chG_TP17.1
Netmeas_chG_R77_1: meas_chG_R77.1
Netmeas_chG_R79_2: meas_chG_R79.2 meas_chG_U6.8
Netmeas_chG_R81_2: meas_chG_R81.2 meas_chG_U6.9
Netmeas_chG_R83_2: meas_chG_R83.2 meas_chG_U6.10
Netmeas_chG_R85_2: meas_chG_R85.2 meas_chG_R90.1 meas_chG_U6.11
Netmeas_chG_TP3_1: meas_chG_TP3.1 meas_chG_U6.1
Netmeas_chG_TP3_2: meas_chG_TP3.2 meas_chG_U6.2
Netmeas_chG_U5_9: meas_chG_U_source_of_current_hall_crossboard_1_1G_J10.2 meas_chG_U_source_of_current_hall_crossboard_1_1G_R13.1 meas_chG_U_source_of_current_hall_crossboard_1_1G_TP14.1 meas_chG_U_source_of_current_hall_crossboard_1_1G_TP15.2
Netmeas_chG_U_source_of_current_hall_crossboard_1_1G_C89_1: meas_chG_U_source_of_current_hall_crossboard_1_1G_C89.1 meas_chG_U_source_of_current_hall_crossboard_1_1G_C131.1 meas_chG_U_source_of_current_hall_crossboard_1_1G_C133.1 meas_chG_U_source_of_current_hall_crossboard_1_1G_C134.1 meas_chG_U_source_of_current_hall_crossboard_1_1G_U20.3 meas_chG_U_source_of_current_hall_crossboard_1_1G_U20.4 meas_chG_U_source_of_current_hall_crossboard_1_1G_U20.5 meas_chG_U_source_of_current_hall_crossboard_1_1G_U20.8
Netmeas_chG_U_source_of_current_hall_crossboard_1_1G_C133_2: meas_chG_U_source_of_current_hall_crossboard_1_1G_C133.2 meas_chG_U_source_of_current_hall_crossboard_1_1G_U20.6
Netmeas_chG_U_source_of_current_hall_crossboard_1_1G_C141_1: meas_chG_U_source_of_current_hall_crossboard_1_1G_C141.1 meas_chG_U_source_of_current_hall_crossboard_1_1G_R86.2 meas_chG_U_source_of_current_hall_crossboard_1_1G_U9.2
Netmeas_chG_U_source_of_current_hall_crossboard_1_1G_C141_2: meas_chG_U_source_of_current_hall_crossboard_1_1G_C141.2 meas_chG_U_source_of_current_hall_crossboard_1_1G_R84.1 meas_chG_U_source_of_current_hall_crossboard_1_1G_U9.6
Netmeas_chG_U_source_of_current_hall_crossboard_1_1G_J10_1: meas_chG_U_source_of_current_hall_crossboard_1_1G_J10.1 meas_chG_U_source_of_current_hall_crossboard_1_1G_TP15.1
Netmeas_chG_U_source_of_current_hall_crossboard_1_1G_Q2_1: meas_chG_U_source_of_current_hall_crossboard_1_1G_R84.2
Netmeas_chH_C47_2: meas_chH_C47.2 meas_chH_L3.2 meas_chH_U6.23
Netmeas_chH_C136_2: meas_chH_C136.2 meas_chH_J3.10 meas_chH_J3.11
Netmeas_chH_J3_1: meas_chH_J3.1 meas_chH_TP17.2
Netmeas_chH_J3_6: meas_chH_J3.6 meas_chH_TP17.1
Netmeas_chH_R77_1: meas_chH_R77.1
Netmeas_chH_R79_2: meas_chH_R79.2 meas_chH_U6.8
Netmeas_chH_R81_2: meas_chH_R81.2 meas_chH_U6.9
Netmeas_chH_R83_2: meas_chH_R83.2 meas_chH_U6.10
Netmeas_chH_R85_2: meas_chH_R85.2 meas_chH_R90.1 meas_chH_U6.11
Netmeas_chH_TP3_1: meas_chH_TP3.1 meas_chH_U6.1
Netmeas_chH_TP3_2: meas_chH_TP3.2 meas_chH_U6.2
Netmeas_chH_U5_9: meas_chH_U_source_of_current_hall_crossboard_1_1H_J10.2 meas_chH_U_source_of_current_hall_crossboard_1_1H_R13.1 meas_chH_U_source_of_current_hall_crossboard_1_1H_TP14.1 meas_chH_U_source_of_current_hall_crossboard_1_1H_TP15.2
Netmeas_chH_U_source_of_current_hall_crossboard_1_1H_C89_1: meas_chH_U_source_of_current_hall_crossboard_1_1H_C89.1 meas_chH_U_source_of_current_hall_crossboard_1_1H_C131.1 meas_chH_U_source_of_current_hall_crossboard_1_1H_C133.1 meas_chH_U_source_of_current_hall_crossboard_1_1H_C134.1 meas_chH_U_source_of_current_hall_crossboard_1_1H_U20.3 meas_chH_U_source_of_current_hall_crossboard_1_1H_U20.4 meas_chH_U_source_of_current_hall_crossboard_1_1H_U20.5 meas_chH_U_source_of_current_hall_crossboard_1_1H_U20.8
Netmeas_chH_U_source_of_current_hall_crossboard_1_1H_C133_2: meas_chH_U_source_of_current_hall_crossboard_1_1H_C133.2 meas_chH_U_source_of_current_hall_crossboard_1_1H_U20.6
Netmeas_chH_U_source_of_current_hall_crossboard_1_1H_C141_1: meas_chH_U_source_of_current_hall_crossboard_1_1H_C141.1 meas_chH_U_source_of_current_hall_crossboard_1_1H_R86.2 meas_chH_U_source_of_current_hall_crossboard_1_1H_U9.2
Netmeas_chH_U_source_of_current_hall_crossboard_1_1H_C141_2: meas_chH_U_source_of_current_hall_crossboard_1_1H_C141.2 meas_chH_U_source_of_current_hall_crossboard_1_1H_R84.1 meas_chH_U_source_of_current_hall_crossboard_1_1H_U9.6
Netmeas_chH_U_source_of_current_hall_crossboard_1_1H_J10_1: meas_chH_U_source_of_current_hall_crossboard_1_1H_J10.1 meas_chH_U_source_of_current_hall_crossboard_1_1H_TP15.1
Netmeas_chH_U_source_of_current_hall_crossboard_1_1H_Q2_1: meas_chH_U_source_of_current_hall_crossboard_1_1H_R84.2
NetR1_1: R1.1 U1.57
NetR2_1: R2.1 Y1.1
NetR25_2: R25.2
NetR32_2: R32.2 U2.1
NetR34_2: R34.2 U2.2
NetR35_2: R35.2 U2.3
NetR41_1: R41.1 R48.2
NetR42_1: R42.1 R49.2
NetR43_1: R43.1 R51.2
NetR44_1: R44.1 T1.9
NetR45_1: R45.1 T1.8
NetR46_1: R46.1 T1.3
NetR47_1: R47.1 T1.2
NetR48_1: R48.1 U2.57
NetR49_1: R49.1 U2.58
NetR50_2: R50.2
NetR51_1: R51.1 U2.56
NetR52_1: R52.1
NetR53_1: R53.1 U2.45
NetR54_2: R54.2 R55.2
NetR55_1: R55.1 U2.44
NetR63_2: R63.2 U2.4
NetR87_1: R87.1 R88.2 T4.1
NetR88_1: R88.1 X2.1
NetR89_2: R89.2 T4.2
NetR93_2: R93.2
NetR94_2: R94.2 Y2.1
NetR97_2: R97.2
NetR100_2: R100.2
NetR105_2: R105.2
NetU1_36: U1.36 U1.38
NetU2_9: U2.9 Y2.3
NetU2_35: U2.35 U19.17
NetU2_36: U2.36
NetU2_46: U2.46 U19.67
NetU2_70: U2.70 U19.19
NetU2_135: U2.135 U19.68
NetU2_140: U2.140
NetU2_142: U2.142
NetU2_144: U2.144 X2.4
NetU2_177: U2.177 U19.20
NetU2_180: U2.180
NetU2_182: U2.182
NetU2_183: U2.183
NetU2_191: U2.191 U19.18
NetU8_3: 
NetU12_3: 
NetU14_3: 
NRST: R92.1 U2.34
Rad=connect: 
Rad=open: Q1.4
Radiation_signal: meas_chA_U_source_of_current_hall_crossboard_1_1A_U20.1 meas_chB_U_source_of_current_hall_crossboard_1_1B_U20.1 meas_chC_U_source_of_current_hall_crossboard_1_1C_U20.1 meas_chD_U_source_of_current_hall_crossboard_1_1D_U20.1 meas_chE_U_source_of_current_hall_crossboard_1_1E_U20.1 meas_chF_U_source_of_current_hall_crossboard_1_1F_U20.1 meas_chG_U_source_of_current_hall_crossboard_1_1G_U20.1 meas_chH_U_source_of_current_hall_crossboard_1_1H_U20.1 U2.176
SCLK: meas_chA_R83.1 meas_chB_R83.1 meas_chC_R83.1 meas_chD_R83.1 meas_chE_R83.1 meas_chF_R83.1 meas_chG_R83.1 meas_chH_R83.1 R23.2 U2.192
SDRAM_A0: U2.16 U19.25
SDRAM_A1: U2.17 U19.26
SDRAM_A2: U2.18 U19.27
SDRAM_A3: U2.22 U19.60
SDRAM_A4: U2.23 U19.61
SDRAM_A5: U2.24 U19.62
SDRAM_A6: U2.71 U19.63
SDRAM_A7: U2.74 U19.64
SDRAM_A8: U2.75 U19.65
SDRAM_A9: U2.76 U19.66
SDRAM_A10: U2.77 U19.24
SDRAM_A11: U2.78 U19.21
SDRAM_B0: U2.131 U19.22
SDRAM_B1: U2.132 U19.23
SDRAM_D0: U2.116 U19.2
SDRAM_D1: U2.117 U19.4
SDRAM_D2: U2.164 U19.5
SDRAM_D3: U2.165 U19.7
SDRAM_D4: U2.79 U19.8
SDRAM_D5: U2.80 U19.10
SDRAM_D6: U2.81 U19.11
SDRAM_D7: U2.84 U19.13
SDRAM_D8: U2.85 U19.74
SDRAM_D9: U2.86 U19.76
SDRAM_D10: U2.87 U19.77
SDRAM_D11: U2.88 U19.79
SDRAM_D12: U2.89 U19.80
SDRAM_D13: U2.108 U19.82
SDRAM_D14: U2.109 U19.83
SDRAM_D15: U2.110 U19.85
SDRAM_D16: U2.98 U19.56
SDRAM_D17: U2.99 U19.54
SDRAM_D18: U2.100 U19.53
SDRAM_D19: U2.101 U19.51
SDRAM_D20: U2.102 U19.50
SDRAM_D21: U2.151 U19.48
SDRAM_D22: U2.152 U19.47
SDRAM_D23: U2.153 U19.45
SDRAM_D24: U2.154 U19.42
SDRAM_D25: U2.155 U19.40
SDRAM_D26: U2.156 U19.39
SDRAM_D27: U2.157 U19.37
SDRAM_D28: U2.208 U19.36
SDRAM_D29: U2.7 U19.34
SDRAM_D30: U2.11 U19.33
SDRAM_D31: U2.12 U19.31
SDRAM_DQM0: U2.200 U19.16
SDRAM_DQM1: U2.201 U19.71
SDRAM_DQM2: U2.205 U19.28
SDRAM_DQM3: U2.206 U19.59
uC_off: U2.175
Vin+MeanWell: 
Vin+POE: 
Vin-MeanWell: 
Vin-POE: 
VinM_planar1: meas_chA_U6.20 U1.63
VinM_planar2: meas_chB_U6.20 U1.1
VinM_planar3: meas_chC_U6.20 U1.7
VinM_planar4: meas_chD_U6.20 U1.9
VinM_planar5: meas_chE_U6.20 U1.50
VinM_planar6: meas_chF_U6.20 U1.48
VinM_planar7: meas_chG_U6.20 U1.42
VinM_planar8: meas_chH_U6.20 U1.40
VinP_planar1: meas_chA_U6.19 U1.64
VinP_planar2: meas_chB_U6.19 U1.2
VinP_planar3: meas_chC_U6.19 U1.8
VinP_planar4: meas_chD_U6.19 U1.10
VinP_planar5: meas_chE_U6.19 U1.49
VinP_planar6: meas_chF_U6.19 U1.47
VinP_planar7: meas_chG_U6.19 U1.41
VinP_planar8: meas_chH_U6.19 U1.39
pads on no net: DD1.6 DD1.8 DD1.11 DD2.1 J6.4 J6.MTG1 J6.MTG2 J7.1 J7.4 J7.6 J7.7 J7.8 J7.9 J8.M1 J8.M2 meas_chA_J3.5 meas_chA_R77.2 meas_chA_U6.5 meas_chA_U6.24 meas_chA_U6.25 meas_chA_U6.28 meas_chA_U_source_of_current_hall_crossboard_1_1A_U9.1 meas_chA_U_source_of_current_hall_crossboard_1_1A_U9.5 meas_chA_U_source_of_current_hall_crossboard_1_1A_U9.8 meas_chB_J3.5 meas_chB_R77.2 meas_chB_U6.5 meas_chB_U6.24 meas_chB_U6.25 meas_chB_U6.28 meas_chB_U_source_of_current_hall_crossboard_1_1B_U9.1 meas_chB_U_source_of_current_hall_crossboard_1_1B_U9.5 meas_chB_U_source_of_current_hall_crossboard_1_1B_U9.8 meas_chC_J3.5 meas_chC_R77.2 meas_chC_U6.5 meas_chC_U6.24 meas_chC_U6.25 meas_chC_U6.28 meas_chC_U_source_of_current_hall_crossboard_1_1C_U9.1 meas_chC_U_source_of_current_hall_crossboard_1_1C_U9.5 meas_chC_U_source_of_current_hall_crossboard_1_1C_U9.8 meas_chD_J3.5 meas_chD_R77.2 meas_chD_U6.5 meas_chD_U6.24 meas_chD_U6.25 meas_chD_U6.28 meas_chD_U_source_of_current_hall_crossboard_1_1D_U9.1 meas_chD_U_source_of_current_hall_crossboard_1_1D_U9.5 meas_chD_U_source_of_current_hall_crossboard_1_1D_U9.8 meas_chE_J3.5 meas_chE_R77.2 meas_chE_U6.5 meas_chE_U6.24 meas_chE_U6.25 meas_chE_U6.28 meas_chE_U_source_of_current_hall_crossboard_1_1E_U9.1 meas_chE_U_source_of_current_hall_crossboard_1_1E_U9.5 meas_chE_U_source_of_current_hall_crossboard_1_1E_U9.8 meas_chF_J3.5 meas_chF_R77.2 meas_chF_U6.5 meas_chF_U6.24 meas_chF_U6.25 meas_chF_U6.28 meas_chF_U_source_of_current_hall_crossboard_1_1F_U9.1 meas_chF_U_source_of_current_hall_crossboard_1_1F_U9.5 meas_chF_U_source_of_current_hall_crossboard_1_1F_U9.8 meas_chG_J3.5 meas_chG_R77.2 meas_chG_U6.5 meas_chG_U6.24 meas_chG_U6.25 meas_chG_U6.28 meas_chG_U_source_of_current_hall_crossboard_1_1G_U9.1 meas_chG_U_source_of_current_hall_crossboard_1_1G_U9.5 meas_chG_U_source_of_current_hall_crossboard_1_1G_U9.8 meas_chH_J3.5 meas_chH_R77.2 meas_chH_U6.5 meas_chH_U6.24 meas_chH_U6.25 meas_chH_U6.28 meas_chH_U_source_of_current_hall_crossboard_1_1H_U9.1 meas_chH_U_source_of_current_hall_crossboard_1_1H_U9.5 meas_chH_U_source_of_current_hall_crossboard_1_1H_U9.8 R3.1 R4.2 R19.2 R27.2 R31.2 T1.5 T1.6 T1.11 T1.12 U1.11 U1.12 U1.13 U1.14 U1.15 U2.5 U2.10 U2.13 U2.19 U2.20 U2.21 U2.31 U2.32 U2.33 U2.37 U2.43 U2.47 U2.48 U2.49 U2.50 U2.53 U2.54 U2.55 U2.61 U2.62 U2.63 U2.64 U2.96 U2.97 U2.104 U2.105 U2.106 U2.107 U2.111 U2.112 U2.113 U2.120 U2.121 U2.122 U2.123 U2.126 U2.127 U2.128 U2.129 U2.130 U2.133 U2.134 U2.143 U2.160 U2.166 U2.167 U2.168 U2.169 U2.172 U2.173 U2.174 U2.178 U2.179 U2.181 U2.186 U2.187 U2.188 U2.189 U2.190 U2.197 U2.198 U2.199 U2.207 U19.14 U19.30 U19.57 U19.69 U19.70 U19.73 X2.MTG1 X2.MTG2

## Text inside footprints (layer, text, board x,y; h text height)
CR1: Top Overlay "*" at 20524.75,4639.59 h50; Mechanical 13 "*" at 20571,4595.5 h50
CR2: Top Overlay "*" at 7574.75,6274.59 h50; Mechanical 13 "*" at 7621,6230.5 h50
J7: Top Overlay "6" at 18358.58,3819.02 h47.24 r90; Top Overlay "5" at 18457.01,4339.69 h47.24 r90; Top Overlay "1" at 18457.01,3780.63 h47.24 r90; Top Overlay "9" at 18358.58,4296.38 h47.24 r90; Mechanical 14 "9" at 18358.58,4296.38 h47.24 r90; Mechanical 14 "1" at 18457.01,3780.63 h47.24 r90; Mechanical 14 "5" at 18457.01,4339.69 h47.24 r90; Mechanical 14 "6" at 18358.58,3819.02 h47.24 r90
J8: Top Overlay "1" at 13237.17,4427.28 h47.24; Mechanical 14 "1" at 13237.17,4427.28 h47.24
meas_chA_J3: Top Overlay "9" at 17040,7530 h59.06 r90; Top Overlay "1" at 17140,8100 h59.06 r90; Top Overlay "5" at 17140,7530 h59.06 r90; Top Overlay "6" at 17035,8095 h59.06 r90
meas_chA_U6: Top Overlay "*" at 18846.1,8161 h50 r90; Mechanical 13 "*" at 18846.1,8225 h50 r90
meas_chB_J3: Top Overlay "9" at 17040,9605 h59.06 r90; Top Overlay "1" at 17140,10175 h59.06 r90; Top Overlay "5" at 17140,9605 h59.06 r90; Top Overlay "6" at 17035,10170 h59.06 r90
meas_chB_U6: Top Overlay "*" at 18846.1,10236 h50 r90; Mechanical 13 "*" at 18846.1,10300 h50 r90
meas_chC_J3: Top Overlay "9" at 17040,11680 h59.06 r90; Top Overlay "1" at 17140,12250 h59.06 r90; Top Overlay "5" at 17140,11680 h59.06 r90; Top Overlay "6" at 17035,12245 h59.06 r90
meas_chC_U6: Top Overlay "*" at 18846.1,12311 h50 r90; Mechanical 13 "*" at 18846.1,12375 h50 r90
meas_chD_J3: Top Overlay "9" at 17040,13755 h59.06 r90; Top Overlay "1" at 17140,14325 h59.06 r90; Top Overlay "5" at 17140,13755 h59.06 r90; Top Overlay "6" at 17035,14320 h59.06 r90
meas_chD_U6: Top Overlay "*" at 18846.1,14386 h50 r90; Mechanical 13 "*" at 18846.1,14450 h50 r90
meas_chE_J3: Top Overlay "9" at 17040,15830 h59.06 r90; Top Overlay "1" at 17140,16400 h59.06 r90; Top Overlay "5" at 17140,15830 h59.06 r90; Top Overlay "6" at 17035,16395 h59.06 r90
meas_chE_U6: Top Overlay "*" at 18846.1,16461 h50 r90; Mechanical 13 "*" at 18846.1,16525 h50 r90
meas_chF_J3: Top Overlay "9" at 17040,17905 h59.06 r90; Top Overlay "1" at 17140,18475 h59.06 r90; Top Overlay "5" at 17140,17905 h59.06 r90; Top Overlay "6" at 17035,18470 h59.06 r90
meas_chF_U6: Top Overlay "*" at 18846.1,18536 h50 r90; Mechanical 13 "*" at 18846.1,18600 h50 r90
meas_chG_J3: Top Overlay "9" at 17040,19980 h59.06 r90; Top Overlay "1" at 17140,20550 h59.06 r90; Top Overlay "5" at 17140,19980 h59.06 r90; Top Overlay "6" at 17035,20545 h59.06 r90
meas_chG_U6: Top Overlay "*" at 18846.1,20611 h50 r90; Mechanical 13 "*" at 18846.1,20675 h50 r90
meas_chH_J3: Top Overlay "9" at 17040,22055 h59.06 r90; Top Overlay "1" at 17140,22625 h59.06 r90; Top Overlay "5" at 17140,22055 h59.06 r90; Top Overlay "6" at 17035,22620 h59.06 r90
meas_chH_U6: Top Overlay "*" at 18846.1,22686 h50 r90; Mechanical 13 "*" at 18846.1,22750 h50 r90
U1: Top Overlay "*" at 7055.5,6917.48 h50; Mechanical 13 "*" at 7156.5,6902.48 h50